# KiCad board tinysdr.kicad_pcb (continued)
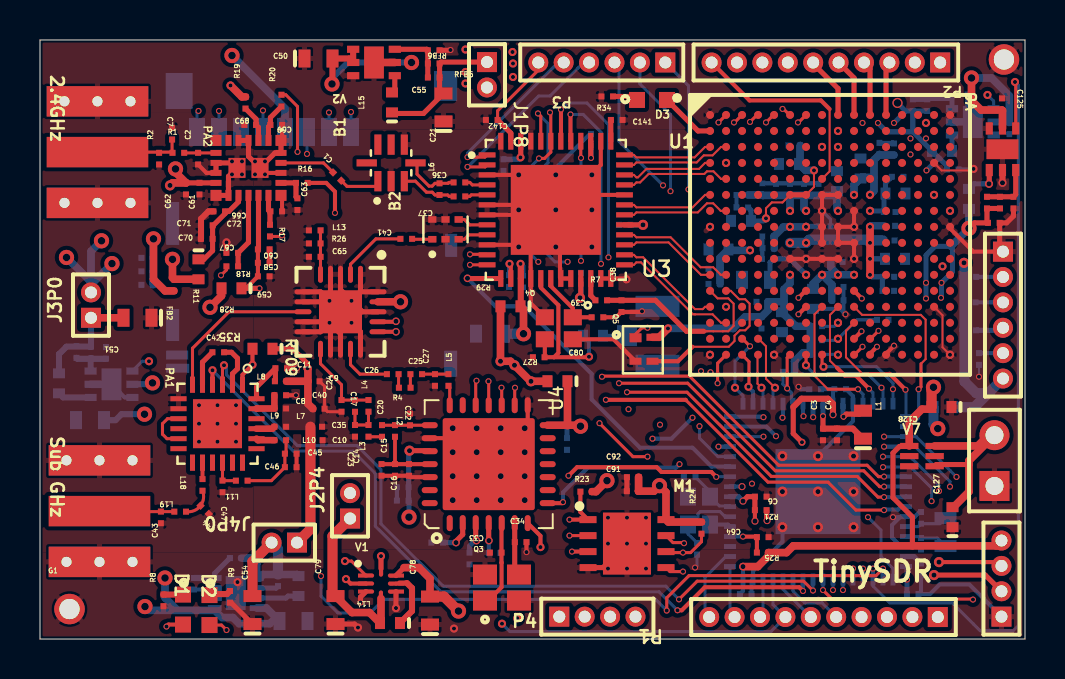
[diagram p0: board, top side]
## Routing (per net, layer and track width the routed paths; a pad name or vN(x,y) marks a point on that pad's centre or on a via; arc(x,y) is an arc through that point) (continued)
GPIO4: length 2.8
  Top Layer w0.254: U1.A11 41.5,28.55 P2.4
GPIO5: length 2.7
  Top Layer w0.254: U1.A12 42.3,28.68 P2.3
GPIO6: length 7.2
  Mid2Sig1 w0.254: v1(44.7,22.23) 44.88,22.4 44.88,27.63 43.74,28.76 P2.2
GPIO7: length 4.5
  Mid2Sig1 w0.152: v1(39.9,25.43) 39.9,26.34 P2.7
GPIO8: length 6.4
  Mid2Sig1 w0.152: P2.8 36.12,28.41 37.06,27.46 38.16,27.46 39.38,26.25 39.38,25.15 v1(39.9,24.62)
GPIO9: length 6.5
  Mid2Sig1 w0.152: v1(39.1,24.62) 39.1,24.63 39.1,25.48 37.45,27.12 36.58,27.12 P2.9
GPIO10: length 10.5
  Top Layer w0.102: U1.E8 39.48,23.4 39.48,26.52
  Top Layer w0.203: 39.48,26.52 39.05,26.95 35.48,26.95 P2.10
HFXIn: length 2.5
  Bottom Layer w0.152: U2.55 34.47,6.66 33.97,6.66 Q2.3 33.5,7.38 C77.2
HFXOut: length 3.7
  Bottom Layer w0.152: U2.54 34.25,6.13 34,6.38 33.02,6.38 32.9,6.26 32.9,6.12 32.5,5.73 Q2.1 32.4,5.26 C76.1
IQ_Radio_09: length 3.5
  Top Layer w0.152: RF09.2 15.52,18.75 16.8,20.03 C41.2
IQ_Radio_24: length 2.8
  Top Layer w0.152: PA2.21 14.18,23.83 C1.2
IQRadio_VCC: length 11.4
  Top Layer w0.254: v1(24.03,18.78) 24.04,18.76 ; v1(24.03,24.1) 24.04,24.12 U3.46 ; U3.29 v5(30.15,20.73) ; U3.21 27.04,17.12 v5(27,17.08) ; v2(27.55,24.08) 27.54,24.09 U3.39 27.53,24.93
  Top Layer w0.305: 24.04,18.76 U3.15 24.04,16.67 R29.1
  Top Layer w0.381: R29.1 24.18,16.5 v4(24.18,15.28)
  Bottom Layer w0.254: 27.05,17.12 C138.1 ; 24,24.12 v1(24.03,24.1) 23.93,24.01 C140.1 ; C137.1 24.15,18.65 ; v2(27.55,24.08) C139.1 ; C136.1 v5(30.15,20.73)
  Bottom Layer w0.508: C135.1 v4(24.18,15.28)
LED1: length 78.9
  Top Layer w0.152: v1(48.75,27.88) 48.79,27.84 V6.4
  Top Layer w0.203: v2(6.33,0.62) 6.43,0.73 D1.2
  Mid2Sig1 w0.152: v2(41.65,3.53) 41.65,3.52 41.02,2.89 40.39,2.89 40.04,3.24 36.35,3.24 35.48,2.38 8.07,2.38 v2(6.33,0.62)
  Mid3Sig2 w0.152: v1(47.38,27.23) 48.1,27.23 v1(48.75,27.88)
  Bottom Layer w0.152: U2.35 41.65,2.65 42.5,1.8 45.62,1.8 47.01,0.42 48.66,0.42 48.92,0.68 48.92,27.7 v1(48.75,27.88) ; v1(47.38,27.23) 47.68,26.92 V5.4
  Bottom Layer w0.203: U2.35 v2(41.65,3.53)
LED2: length 38.6
  Top Layer w0.152: v2(9.33,0.45) 9.08,0.7 D2.2 ; v2(31.34,1.43) 31.34,2.06 32.45,3.18 40.5,3.18 40.5,3.17 40.8,3.17 40.8,3.18 41,3.18 41,3.17 41.3,3.17 41.3,3.18 41.5,3.18 41.5,3.17 41.8,3.17 42.15,3.52 v2(42.15,3.53)
  Mid3Sig2 w0.152: v2(9.33,0.45) 9.35,0.48 9.65,0.48 12.33,3.15 v2(14.05,3.15)
  Bottom Layer w0.152: v2(31.34,1.43) 30.78,1.98 17.18,1.98 16.51,1.31 14.89,1.31 14.05,2.15 v2(14.05,3.15)
  Bottom Layer w0.203: U2.34 v2(42.15,3.52)
LFXIN: length 2.2
  Bottom Layer w0.152: Q1.1 45,5.77 C75.2 43.9,5.63 U2.28
LFXOUT: length 2.2
  Bottom Layer w0.152: Q1.2 44.87,5.05 C74.1 43.98,5.13 U2.29
MCU_CS: length 3.9
  Top Layer w0.152: v2(35.5,14.65) 35.12,15.03 U1.R3
  Bottom Layer w0.152: v2(35.5,14.65) 34.75,13.9 v1(34.75,12.58) 35.15,12.17 U2.1
MCU_GPIO1: length 2.6
  Bottom Layer w0.152: U2.49 34.5,1.33 P1.9
MCU_GPIO2: length 3.8
  Bottom Layer w0.152: P1.10 33.25,1.31 33.25,3.08 34.29,4.12 U2.50
MCU_GPIO7: length 43.9
  Top Layer w0.203: U3.42 26.05,24.92 v2(26.05,26.5)
  Mid2Sig1 w0.152: v2(45.83,8.11) 45.86,8.08 45.86,6.74 47.01,5.59 47.01,1.83 46.28,1.1 P1.1 ; v2(42.2,10.13) 42.05,10.13 41.63,10.55 35.26,10.55 34.99,10.82 33.98,10.82 28.43,16.38 v2(28.43,19.1)
  Bottom Layer w0.152: v2(28.43,19.1) 28.43,25.74 27.34,26.83 26.38,26.83 v2(26.05,26.5) ; v2(45.83,8.11) 43.81,10.13 U2.19 43.29,10.12 43.29,10.13 v2(42.2,10.13)
MCU_GPIO8: length 42.9
  Top Layer w0.203: v2(26.53,26.25) 26.53,24.93 U3.41 26.55,24.92
  Mid2Sig1 w0.152: P1.2 43.62,1.12 44.31,1.8 45.45,1.8 46.73,3.08 46.73,5.33 45.5,6.55 v2(45.5,7.62) ; v2(42.2,9.62) 42.16,9.62 41.51,10.27 37.42,10.27 36.92,9.77 35.64,9.77 34.88,10.54 33.84,10.54 28.05,16.32 v2(28.05,18.77)
  Bottom Layer w0.152: U2.20 43.75,9.63 45.5,7.88 v2(45.5,7.62) ; v2(26.53,26.25) 27.16,26.25 28.05,25.36 28.05,18.78 v2(28.05,18.78)
  Bottom Layer w0.203: U2.20 43.3,9.62 v2(42.2,9.62)
MCU_GPIO9: length 45.1
  Top Layer w0.152: U3.44 25.04,26.16 v2(24.9,26.3)
  Mid2Sig1 w0.152: v2(26.38,18.88) 26.38,16.34 32.46,10.26 34.76,10.26 36.32,8.7 41.1,8.7 41.53,9.12 v2(42.15,9.12) ; v2(44.95,7.4) 45.01,7.35 45.01,6.57 46.33,5.25 46.33,3.21 45.2,2.08 43.33,2.08 P1.3
  Bottom Layer w0.152: v2(26.38,18.88) 25.75,18.88 25.08,19.55 25.08,23.52 25.4,23.84 25.4,25.8 v2(24.9,26.3) ; U2.21 43.34,9.08 43.55,9.08 44.95,7.68 v2(44.95,7.4) ; v2(42.15,9.12) 43.3,9.12
MCU_GPIO10: length 41.5
  Top Layer w0.152: v2(24.95,24.05) 25.23,24.05 25.54,24.36 U3.43 25.54,26.31 v2(25.5,26.35)
  Mid2Sig1 w0.152: v2(44.58,6.9) 44.58,4.82 41.08,1.32 P1.4 ; v2(42.15,8.6) 41.4,8.6 41.21,8.42 36.21,8.42 34.64,9.98 32.34,9.98 24.91,17.41 v2(24.91,18.88)
  Bottom Layer w0.152: v2(24.95,24.05) 24.53,23.62 24.53,19.26 v2(24.91,18.88) ; v2(44.58,6.9) 44.58,7.55 43.55,8.58 43.34,8.58 U2.22 ; v2(42.15,8.6) 43.3,8.6
MCU_MISO: length 2.6
  Top Layer w0.102: v1(36.08,12.58) 35.88,12.78 35.88,14.2 U1.T4
  Bottom Layer w0.152: v1(36.08,12.58) 36.15,12.5 U2.3
MCU_MOSI: length 3.7
  Top Layer w0.102: U1.R4 35.93,15.03 36.3,14.65 36.3,13.02 v1(36.75,12.58)
  Bottom Layer w0.152: v1(36.75,12.58) 36.65,12.48 U2.4
MCU_SCLK: length 2.7
  Top Layer w0.152: v1(35.43,12.62) 35.45,12.65 35.45,13.88 U1.T3
  Bottom Layer w0.203: U2.2 35.65,12.38 35.43,12.6 v1(35.43,12.62)
MSP_Radio_IRQ: length 19.5
  Top Layer w0.152: v2(27.05,24.08) 27.04,24.09 U3.40
  Mid2Sig1 w0.152: v2(27.05,18.93) 27.05,17.78 27.55,17.28 27.55,15.57 32.47,10.65 v2(32.97,10.65)
  Bottom Layer w0.152: U2.60 33.9,9.13 32.97,10.05 v2(32.97,10.65) ; v2(27.05,18.93) v2(27.05,24.08)
Net2.4GHz_2: length 4.4
  Top Layer w0.152: 6.6,24.35 R1.1 ; 6.6,24.35 C7.2 ; 6.6,24.35 6.59,24.37 2.4GHz.2
NetB1_1: length 1.9
  Top Layer w0.152: 16.88,22.65 15.35,22.65 C1.1
NetB2_1: length 1
  Top Layer w0.152: B2.1 18.62,20.01 C41.1
NetC2_2: length 1.6
  Top Layer w0.152: PA2.8 7.21,24.33 R1.2
NetC3_2: length 3.5
  Top Layer w0.254: C3.2 v2(39.15,11.15)
  Top Layer w0.305: C3.2 C4.2 40.65,10.53 L1.1
  Bottom Layer w0.254: v2(39.15,11.15) U2.9
NetC5_2: length 12.9
  Top Layer w0.152: 35.75,5.9 v7(35.75,5.9)
  Top Layer w0.203: 35.75,5.9 R21.2
  Top Layer w0.254: R21.2 C6.2 35.38,7.12 v7(35.15,6.9)
  Mid3Sig2 w0.152: v7(35.75,5.9) 37.72,3.93 42.4,3.93 v2(43.35,2.98)
  Bottom Layer w0.254: U2.32 43.35,3.58 C5.2 ; U2.56 34.93,7.13 34.93,7.12 v7(35.15,6.9)
NetC8_1: length 1.6
  Top Layer w0.33: C8.1 L7.1 10.84,11.54 PA1.23
NetC11_1: length 2.6
  Top Layer w0.254: 10.87,12.07 PA1.24 10.83,12.6 C11.1 11.77,12.93 L8.1
NetC14_2: length 3.8
  Top Layer w0.191: C15.2 L2.2
  Top Layer w0.203: C14.2 17.08,8.75 U4.25
NetC17_2: length 2
  Top Layer w0.152: L4.1 L3.2 C23.1 C17.2
NetC20_1: length 0.7
  Top Layer w0.152: L3.1 16.43,10.12 C20.1
NetC20_2: length 2.4
  Top Layer w0.152: C20.2 17.1,10.7 U4.22
NetC21_2: length 7
  Top Layer w0.254: L15.1 17.65,26.3 19.17,26.3 C21.2 19.98,27.5 C55.2 RFB5.2 20.05,28.87 J1P8.1
NetC25_1: length 0.7
  Top Layer w0.152: C25.1 18.52,12.58 R4.2
NetC25_2: length 1.3
  Top Layer w0.152: L5.2 C27.2 C25.2
NetC26_2: length 0.7
  Top Layer w0.152: C26.2 17.93,12.59 R4.1
NetC28_2: length 1.5
  Top Layer w0.254: v6(22.45,4.93) 22.44,4.93 U4.4
  Bottom Layer w0.203: C28.2 v6(22.45,4.93)
NetC31_2: length 1.8
  Top Layer w0.254: v6(20.8,4.83) 20.8,4.89 21.14,5.23 U4.2
  Bottom Layer w0.254: C31.2 v6(20.8,4.83)
NetC42_1: length 1.8
  Top Layer w0.254: C42.1 8.12,13.85 PA1.5
NetC42_2: length 2.2
  Top Layer w0.254: PA1.2 9.62,13.28 9.88,13.53 9.88,14.05 9.57,14.35 C42.2
NetC43_2: length 3.8
  Top Layer w0.152: Sub GHz.2 3,6.38 L19.2
NetC44_2: length 1.6
  Top Layer w0.152: L19.1 arc(8.02,6.66) L18.2
NetC45_1: length 3.5
  Top Layer w0.152: L10.2 12.3,9.33 C45.1 C46.1 11.57,7.93 L11.1
NetC47_1: length 1.6
  Top Layer w0.152: L11.2 9.13,7.93 C47.1 PA1.16
NetC51_2: length 5.8
  Top Layer w0.381: J3P0.1 C51.2
  Bottom Layer w0.305: J3P0.1 C56.2 1.32,14.63 0.95,14.26 L16.1
NetC54_2: length 8.6
  Top Layer w0.508: C54.2 10.62,3.87 J4P0.2
  Bottom Layer w0.381: RFB1.1 10.55,4.05 10.84,3.76 V4.5 10.97,3.05 11.15,3.23 R30.2 12.85,3.23 L17.2
  Bottom Layer w0.508: J4P0.2 11.9,4.51 R30.2
NetC55_1: length 3
  Top Layer w0.254: V2.3 19.34,29.51 RFB6.2 19.39,28.1 C55.1
NetC56_1: length 2.1
  Bottom Layer w0.305: C56.1 2.53,14.03 2.53,14.03 ; 2.53,14.03 V3.3 ; 2.53,14.03 RFB4.2 ; 2.53,14.03 1.87,14.03 RFB3.1
NetC58_1: length 0.7
  Top Layer w0.254: C58.1 C60.1
NetC63_2: length 1.5
  Top Layer w0.254: C63.2 12.8,22.12 R16.1 PA2.19
NetC64_2: length 2.1
  Top Layer w0.203: v2(35.15,5.12) 35.82,5.12 C64.2 R25.2
  Bottom Layer w0.203: U2.52 v2(35.15,5.12)
NetC65_2: length 2.2
  Top Layer w0.152: RF09.5 14.03,20.45 L13.2
NetC66_2: length 1.5
  Top Layer w0.254: PA2.17 11.43,21.45 11.5,21.38 R17.1
NetC67_1: length 3.8
  Top Layer w0.254: R18.1 C67.1 10.43,19.85 PA2.15
NetC68_2: length 1.9
  Top Layer w0.254: PA2.3 10.93,25.6 C68.2 10.8,26.02 R19.1
NetC69_2: length 2
  Top Layer w0.254: R20.1 11.52,26.1 C69.2 11.43,25.63 PA2.2
NetC79_2: length 8.3
  Top Layer w0.381: V1.4 17.05,0.85 L14.2 16.47,1.33 15.6,1.33 C79.2 14.62,2.3
  Top Layer w0.508: 14.62,2.3 14.62,5.15 J2P4.1
NetC95_1: length 2.5
  Bottom Layer w0.254: RFB7.1 C95.1 44.41,27.05 45.6,27.05 V5.3
NetC124_1: length 2.7
  Top Layer w0.254: V6.3 48.79,22.24 RFB10.2 C124.1
NetD1_1: length 1
  Top Layer w0.305: D1.1 6.18,2.23 R8.2
NetD2_1: length 1.1
  Top Layer w0.305: D2.1 8.47,2.25 9.35,2.25 R9.2
NetD3_1: length 1.3
  Top Layer w0.254: D3.1 29.68,27.15 R34.2
NetL5_1: length 1
  Top Layer w0.152: U4.21 20.49,12.61 L5.1
NetL9_1: length 0.9
  Top Layer w0.33: L9.1 11.62,10.53 PA1.21
NetL10_1: length 0.9
  Top Layer w0.33: L10.1 10.9,9.95 PA1.20
NetL12_2: length 0.8
  Bottom Layer w0.254: L12.2 V5.1
NetL14_1: length 2.7
  Top Layer w0.254: 17.97,2.8 18.35,2.8
  Top Layer w0.305: L14.1 18.6,1.4 18.6,2.55 18.35,2.8
NetL15_2: length 0.9
  Top Layer w0.254: V2.1 17.74,27.49 L15.2
NetL16_2: length 1.7
  Bottom Layer w0.305: V3.1 1.16,12.09 L16.2
NetL17_1: length 2.1
  Bottom Layer w0.254: V4.7 12.3,2.05 12.4,2.15 L17.1
NetL18_1: length 0.8
  Top Layer w0.191: L18.1 PA1.14
NetL20_2: length 1.8
  Top Layer w0.254: 47.43,23.5 V6.1 47.46,22.79 v3(47.45,22.78)
  Bottom Layer w0.254: v3(47.45,22.78) 46.7,22.78 L20.2
NetPA1_1: length 2
  Top Layer w0.203: R35.2 v1(10.62,13.73) 10.12,13.23 PA1.1
NetPA1_6: length 8.1
  Top Layer w0.152: RF09.8 9.45,16.38 7.62,14.55 PA1.6
NetPA1_9: length 2.3
  Top Layer w0.152: PA1.11 6.35,10.03 6.12,10.25 6.12,10.78 6.38,11.03 PA1.9
NetR3_2: length 0.9
  Bottom Layer w0.254: R3.2 44.05,3.78 43.7,4.12 U2.31
NetR7_1: length 1.2
  Top Layer w0.254: R7.1 27.54,17.18 U3.22
NetR10_2: length 1.2
  Bottom Layer w0.203: R10.2 TXCO_IN.1
NetR30_1: length 1.1
  Bottom Layer w0.254: R30.1 11.8,2.55 V4.6
NetRFB1_2: length 2.4
  Bottom Layer w0.254: RFB1.2 8.74,3.29 V4.4
  Bottom Layer w0.305: V4.4 8.73,3.05 RFB2.2
PL5_N: length 5.5
  Top Layer w0.102: U3.35 29.7,23.73 29.82,23.85 32.84,23.85 33.19,24.2 33.63,24.2 34.05,24.63 U1.C2
PL5_P: length 4.5
  Top Layer w0.102: U1.C1 33.25,24.63 32.73,24.1 29.82,24.1 29.7,24.23 U3.36
PL8_N: length 5.5
  Top Layer w0.102: U1.E2 34.05,23.03 33.68,23.4 33.35,23.4 33.22,23.27 30.43,23.27 30.01,22.85 29.82,22.85 29.7,22.73 U3.33
PL8_P: length 4.6
  Top Layer w0.102: U1.D1 33.25,23.83 32.95,23.53 30.32,23.53 29.9,23.1 29.82,23.1 29.7,23.23 U3.34
PL14_N: length 5.5
  Top Layer w0.102: U3.30 29.7,21.23 29.82,21.35 32.89,21.35 33.35,21.8 33.66,21.8 34.04,21.43 U1.G2
PL14_P: length 4.6
  Top Layer w0.102: U1.F1 33.25,22.23 32.63,21.6 29.82,21.6 29.7,21.73 U3.31
PL26_N: length 5
  Top Layer w0.102: U1.L1 33.05,18.23 31.43,19.85 29.82,19.85 29.7,19.73 U3.27
PL26_P: length 5.9
  Top Layer w0.102: U1.L2 34.04,18.23 33.66,18.6 33.03,18.6 31.53,20.1 29.82,20.1 29.7,20.23 U3.28
PL32_N: length 6.4
  Top Layer w0.102: U1.P2 34.05,15.83 33.63,16.25 32.75,16.25 32.75,16.25 32.65,16.25 30.05,18.85 29.82,18.85 29.7,18.73 U3.25
PL32_P: length 5.5
  Top Layer w0.102: U3.26 29.7,19.23 29.82,19.1 30.16,19.1 32.75,16.51 33.14,16.51 33.25,16.62 U1.N1
RF09_CPS: length 38.2
  Top Layer w0.152: v1(9.2,13.7) 9.12,13.62 PA1.3 ; v2(31.95,1.98) 32.86,2.9 38.18,2.9 v2(38.65,2.43)
  Bottom Layer w0.152: v1(9.2,13.7) 9.33,13.58 9.33,13.23 12.87,9.68 15.84,9.68 17.05,8.48 17.05,5.76 20.17,2.64 31.29,2.64 v2(31.95,1.98) ; v2(38.65,2.43) U2.41
RF09_CTX: length 37.9
  Top Layer w0.203: v2(31.88,1.44) 32.09,1.44 33.24,2.59 37.96,2.59 v2(38.15,2.4) ; PA1.4 v1(8.62,13.45)
  Bottom Layer w0.152: v2(31.88,1.44) 30.95,2.36 20.05,2.36 16.77,5.65 16.77,8.28 15.65,9.4 12.67,9.4 v1(8.62,13.45)
  Bottom Layer w0.203: v2(38.15,2.4) U2.42
RF09_N: length 1.5
  Top Layer w0.152: B2.3 21.22,20.01 21.44,20.23 U3.9
RF09_P: length 1.5
  Top Layer w0.152: U3.8 21.49,20.73 21.22,21 B2.4
RF09_SW_A0: length 26.4
  Top Layer w0.203: v6(17.8,15.9) 17.78,15.88 RF09.17
  Mid2Sig1 w0.203: v6(17.8,15.9) 17.87,15.9 19.78,13.99 19.78,10.66 20.42,10.02 30.62,10.02 v2(30.62,10.03)
  Mid3Sig2 w0.203: v2(37.12,11.08) 36.35,11.85 33.4,11.85 v2(32.62,11.08)
  Bottom Layer w0.203: v2(32.62,11.08) 31.58,10.03 v2(30.62,10.03) ; v2(37.12,11.08) 37.15,11.1 U2.5
RF09_SW_A1: length 24.6
  Top Layer w0.203: RF09.16 v6(17.8,15.38)
  Mid2Sig1 w0.203: v7(35.1,7.62) 32.35,7.62 31.28,8.7 20,8.7 18.95,9.75 18.95,14.23 v6(17.8,15.38)
  Bottom Layer w0.203: U2.57 34.5,7.62 v7(35.1,7.62)
RF24_CPS: length 41.6
  Top Layer w0.152: v2(9.05,18.2) 9.32,18.47 R18.2 ; v2(30.38,9.12) 29.65,9.12 v2(27.97,10.8)
  Mid2Sig1 w0.203: v2(41.4,6.1) 40.77,6.73 36.65,6.73 v2(35.6,7.78)
  Mid3Sig2 w0.152: v2(35.6,7.78) 34.25,9.12 v2(30.38,9.12) ; 9.03,18.2 v2(9.05,18.2) 17.8,18.2 19.93,16.08 22.43,16.08 27.61,10.89 27.61,10.89 27.7,10.8 v2(27.97,10.8)
  Bottom Layer w0.152: U2.33 42.65,3.53 42.05,4.13 42.05,5.45 v2(41.4,6.1)
RF24_CRX: length 36.8
  Top Layer w0.152: R20.2 12.29,27.23 12.88,26.65 v2(12.88,24.38)
  Mid3Sig2 w0.152: 38.68,11.12 38.68,12.7 37.7,13.68 37.7,14 36.6,15.1 28.33,15.1 26.4,17.03 20.58,17.03 15.37,22.23 14.42,22.23 12.88,23.77 v2(12.88,24.38)
  Mid3Sig2 w0.254: v2(38.66,11.1) 38.68,11.12
  Bottom Layer w0.254: v2(38.66,11.1) 38.65,11.11 U2.8
RF24_CTX: length 31.2
  Top Layer w0.152: R17.2 12.05,20.15 v2(12.1,20.2)
  Mid2Sig1 w0.152: v2(31,10.73) 30.65,10.73 29.88,11.5 29.45,11.5
  Mid3Sig2 w0.152: v2(12.1,20.2) 16.61,20.2 20.34,16.47 24.48,16.47 26.55,14.4 26.55,13.15 28.2,11.5 v2(29.43,11.5) ; v2(31,10.73) 31.6,10.13 v2(36.17,10.13)
  Bottom Layer w0.152: U2.62 v2(36.17,10.13)
RF24_N: length 1.1
  Top Layer w0.152: C37.1 21.49,22.15 21.57,22.23 U3.5
RF24_P: length 1.1
  Top Layer w0.152: U3.4 21.62,22.73 21.49,22.85 C36.1
RF_DVDD: length 1.1
  Top Layer w0.254: C141.1 28.54,25.97 U3.37
SD_CLK: length 31.2
  Top Layer w0.152: v2(35.5,25.88) 35.85,26.23 U1.A4
  Mid2Sig1 w0.152: v2(11.15,26.45) 12.69,24.91 13.88,24.91 14.01,24.78 23.73,24.78 23.74,24.79 24.31,24.79 24.32,24.78 27.67,24.78 arc(27.84,24.85) 27.91,25.01 27.91,25.18 arc(27.97,25.35) 28.14,25.41 28.33,25.41 arc(28.5,25.35) 28.57,25.18 28.57,24.75 arc(28.63,24.59) 28.8,24.52 28.99,24.52 arc(29.16,24.59) 29.23,24.75 29.23,25.18 arc(29.29,25.35) 29.46,25.41 29.66,25.41 arc(29.82,25.35) 29.89,25.18 29.89,24.75 arc(29.95,24.59) 30.12,24.52 30.32,24.52 arc(30.48,24.59) 30.55,24.75 30.55,25.18 arc(30.61,25.35) 30.78,25.41 30.98,25.41 arc(31.14,25.35) 31.21,25.18 31.21,24.75 arc(31.27,24.59) 31.44,24.52 31.64,24.52 arc(31.8,24.59) 31.87,24.75 31.87,24.74 arc(31.88,24.77) 31.91,24.78 34.4,24.78 v2(35.5,25.88)
  Bottom Layer w0.152: microSD.5 v2(11.15,26.45)
SD_CMD: length 28.8
  Top Layer w0.152: v2(37.9,25.85) 37.93,25.85 U1.A7
  Mid3Sig2 w0.152: v2(13.35,24.28) 13.72,24.28 16.02,21.98 34.03,21.98 v2(37.9,25.85)
  Bottom Layer w0.152: v2(13.35,24.28) microSD.3
SD_DAT0: length 31.3
  Top Layer w0.152: v2(36.3,25.85) 36.68,26.23 U1.A5
  Mid3Sig2 w0.152: v2(36.3,25.85) 34.96,24.51 23.86,24.51 23.85,24.5 19.62,24.5 arc(19.48,24.44) 19.42,24.3 19.42,24.1 arc(19.36,23.96) 19.22,23.9 18.96,23.9 arc(18.82,23.96) 18.76,24.1 18.76,24.3 arc(18.7,24.44) 18.56,24.5 13.89,24.5 13.66,24.73 12.7,24.73 12.6,24.63 10.74,24.63 v2(8.95,26.43)
  Bottom Layer w0.152: microSD.7 v2(8.95,26.43)
SD_DAT1: length 31.2
  Top Layer w0.152: U1.A6 37.48,26.23 37.17,26.53 v2(37.13,26.53)
  Mid3Sig2 w0.152: v2(37.13,26.53) 36.95,26.7 30.29,26.7 30.07,26.92 28.17,26.92 28.14,26.9 21.54,26.9 21.52,26.92 8.42,26.92 v2(7.93,26.43)
  Bottom Layer w0.152: microSD.8 7.85,26.35 v2(7.93,26.43)
SD_DAT2: length 31.1
  Top Layer w0.152: U1.A2 33.93,25.85 v2(33.93,25.85)
  Mid3Sig2 w0.152: v2(33.93,25.85) 30.28,25.85 arc(30.14,25.91) 30.08,26.05 30.08,26.42 arc(30.03,26.56) 29.89,26.62 29.62,26.62 arc(29.48,26.56) 29.42,26.42 29.42,26.05 arc(29.37,25.91) 29.23,25.85 28.96,25.85 arc(28.82,25.91) 28.76,26.05 28.76,26.42 arc(28.71,26.56) 28.57,26.62 28.3,26.62 arc(28.16,26.56) 28.1,26.42 28.1,26.05 arc(28.05,25.91) 27.91,25.85 22.48,25.85 arc(22.31,25.78) 22.24,25.62 22.24,25.57 arc(22.18,25.41) 22.01,25.34 21.82,25.34 arc(21.65,25.41) 21.58,25.57 21.58,26.41 arc(21.52,26.57) 21.35,26.64 21.16,26.64 arc(20.99,26.57) 20.92,26.41 20.92,25.57 arc(20.86,25.41) 20.69,25.34 20.49,25.34 arc(20.33,25.41) 20.26,25.57 20.26,26.41 arc(20.2,26.57) 20.03,26.64 19.83,26.64 arc(19.67,26.57) 19.6,26.41 19.6,25.57 arc(19.54,25.41) 19.37,25.34 19.17,25.34 arc(19.01,25.41) 18.94,25.57 18.94,26.41 arc(18.88,26.57) 18.71,26.64 18.51,26.64 arc(18.35,26.57) 18.28,26.41 18.28,25.57 arc(18.21,25.41) 18.05,25.34 17.85,25.34 arc(17.69,25.41) 17.62,25.57 17.62,26.41 arc(17.55,26.57) 17.39,26.64 17.19,26.64 arc(17.03,26.57) 16.96,26.41 16.96,26.08 arc(16.89,25.92) 16.73,25.85 16.08,25.85 v2(15.55,26.38)
  Bottom Layer w0.152: microSD.1 v2(15.55,26.38)
SD_DAT3: length 30.7
  Top Layer w0.152: U1.A3 34.73,25.85 v2(34.7,25.85)
  Mid3Sig2 w0.152: v2(34.7,25.85) 33.91,25.06 33.47,25.06 arc(33.38,25.1) 33.35,25.19 33.35,25.37 arc(33.29,25.51) 33.15,25.57 32.88,25.57 arc(32.74,25.51) 32.69,25.37 32.69,24.98 arc(32.63,24.84) 32.49,24.79 32.22,24.79 arc(32.08,24.84) 32.03,24.98 32.03,25.37 arc(31.97,25.51) 31.83,25.57 31.56,25.57 arc(31.42,25.51) 31.37,25.37 31.37,24.98 arc(31.31,24.84) 31.17,24.79 30.9,24.79 arc(30.76,24.84) 30.7,24.98 30.7,25.37 arc(30.65,25.51) 30.51,25.57 30.24,25.57 arc(30.1,25.51) 30.04,25.37 30.04,24.98 arc(29.99,24.84) 29.85,24.79 29.58,24.79 arc(29.44,24.84) 29.38,24.98 29.38,25.37 arc(29.33,25.51) 29.19,25.57 28.92,25.57 arc(28.78,25.51) 28.72,25.37 28.72,24.98 arc(28.67,24.84) 28.53,24.79 28.26,24.79 arc(28.12,24.84) 28.06,24.98 28.06,25.37 arc(28.01,25.51) 27.87,25.57 27.6,25.57 arc(27.46,25.51) 27.4,25.37 27.4,24.98 arc(27.34,24.84) 27.2,24.79 26.94,24.79 arc(26.8,24.84) 26.74,24.98 26.74,25.37 arc(26.68,25.51) 26.54,25.57 26.28,25.57 arc(26.14,25.51) 26.08,25.37 26.08,24.98 arc(26.02,24.84) 25.88,24.79 25.62,24.79 arc(25.48,24.84) 25.42,24.98 25.42,25.37 arc(25.36,25.51) 25.22,25.57 24.96,25.57 arc(24.82,25.51) 24.76,25.37 24.76,25.26 arc(24.7,25.12) 24.56,25.06 24.43,25.06 24.42,25.07 23.63,25.07 23.62,25.06 15.74,25.06 v2(14.45,26.35)
  Bottom Layer w0.152: microSD.2 v2(14.45,26.35)
TCK_SWDCLK: length 19.5
  Top Layer w0.203: v5(44.95,3.85) 47.88,3.85 MCU.3
  Mid3Sig2 w0.203: v5(44.95,3.85) 43.4,5.4 43.4,10.23 42.93,10.69 36.58,10.69 v2(36.17,11.1)
  Bottom Layer w0.203: v2(36.17,11.1) 36.15,11.13 U2.64
TCXO: length 8.7
  Top Layer w0.203: 25.7,14.1 C80.2 25.24,14.11 Q4.3 ; 25.7,14.1 25.92,14.32 25.92,16.7 25.04,17.59 U3.17 ; 25.7,14.1 27.43,14.1 v1(27.45,14.12)
  Bottom Layer w0.203: v1(27.45,14.12) 27.45,14.88 R10.1
TMS_SWDIO: length 18.6
  Top Layer w0.254: v5(44.7,3.2) 47.26,3.2 MCU.2
  Mid3Sig2 w0.152: v2(36.8,10.15) 36.88,10.23 40.25,10.23 41.79,8.68 41.79,6.11 v5(44.7,3.2)
  Bottom Layer w0.203: v2(36.8,10.15) 36.32,10.63 U2.63
V_PA24_1P8V: length 13.8
  Top Layer w0.203: R16.2 14.31,22.83 14.75,22.39 v2(14.75,21.33) ; C60.2 C58.2 C59.2 10.3,17.55
  Top Layer w0.254: R28.1 v2(10.97,17.55) ; PA2.16 10.93,19.53 C60.2
  Mid2Sig1 w0.203: v2(10.97,17.55) v2(14.75,21.33)
V_PA24_3P0V: length 4.3
  Top Layer w0.254: PA2.14 9.93,21.88 9.45,21.4 C72.2 9.25,21.29 8.67,20.7 C71.2 8.63,20.7 C70.2 8.63,19.43 8.2,19 R11.1
VSW: length 1.8
  Top Layer w0.254: v2(40.18,11.12) 40.19,11.12 40.32,11.26 40.98,11.26 L1.2
  Bottom Layer w0.254: v2(40.18,11.12) 40.15,11.15 U2.11
XTA: length 4.3
  Top Layer w0.203: U4.5 23.08,5.79 23.08,3.83 23.08,3.82 23.08,2.59 22.41,1.93 Q3.1
XTAL2: length 3.3
  Top Layer w0.203: C39.2 Q4.1 26.64,16.56 25.54,17.66 U3.18
XTB: length 2.7
  Top Layer w0.254: Q3.3 23.74,3.44 U4.6

## Copper pours and planes (outline as drawn; the poured copper is in the pictures)
GND on Top Layer: 35.17,26.66 35.17,15.95 27.6,15.95 27.6,26.6 27.67,26.66
GND on Top Layer: 10.68,4.32 0.03,4.32 0.03,26.32 10.68,26.33
GND on Top Layer: 49.25,0 49.25,29.98 10.22,29.98 10.22,30.05 0.07,30.05 -0.02,29.95 -0.02,25.5 35.5,25.5 35.5,4.49 0,4.49 0,0
GND on Top Layer: 22.23,4.05 41.93,4.05 41.93,14.57 27.5,14.63 27.5,27.5 7.8,27.59 7.8,4.18 22.23,4.17
GND on Bottom Layer: 0.03,29.98 49.25,29.98 49.25,0 0,0
GND on Mid1GND: 0.03,29.98 49.25,29.98 49.25,0 0,0
GND on Mid2Sig1: 0,29.98 49.25,29.98 49.25,0 0,0
GND on Mid3Sig2: 49.25,29.98 49.25,0 0,0 0,29.98
VBat on Mid2Sig1: 20.97,29.75 20.97,26.6 24.2,26.6 24.25,26.55 24.25,29.82 20.9,29.82
VBat on Mid4Power: 0,0 49.25,0 49.25,29.98 0,29.98 0,27.35 46.1,27.35 46.1,3.15 6.7,3.36 6.7,14.67 0,14.68
VCC_D2 on Mid4Power: 13.96,5.98 27.18,5.98 27.18,9.83 33.2,9.82 33.2,18.65 39.15,18.65 39.15,20.97 30.67,20.97 30.67,14.82 19.95,14.83 19.95,9.83 14.01,9.83 13.96,9.78
1P1V on Bottom Layer: 43.12,23.53 43.12,25.45 44.96,25.45 44.96,23.53
1P1V on Bottom Layer: 40.66,25.2 40.66,26.73 43.83,26.73 43.83,25.2
1P1V on Mid4Power: 36.48,20.97 45.88,20.97 45.88,27.18 32.57,27.18 32.57,22.25 36.48,22.25
1P8V on Mid4Power: 21.65,26.58 21.65,27.83 23.1,27.83 23.1,26.58
1P8V on Mid4Power: 6.4,22.31 6.4,3.42 42.42,3.43 45.97,3.43 46.15,3.43 46.15,5.73 45.97,5.73 45.97,10.75 42.12,10.75 42.12,5.73 31.35,5.73 31.35,8.39 27.5,8.39 27.5,5.72 12.15,5.72 12.15,13.56 18.91,13.56 18.91,19.26 12.15,19.26 12.15,22.52 23.22,22.53 23.22,28.1 23.1,28.23 6.4,28.22 6.4,27.14 3.28,27.1 3.28,22.66 3.22,22.6 3.51,22.31
1P8V_MCU on Mid4Power: 45.87,14.32 45.87,6.02 33.55,6.03 33.53,6.05 33.75,6.28 33.75,14.3 41.75,14.3 41.77,14.33
2P5V on Mid4Power: 34.97,18.58 34.9,18.5 34.9,15.28 45.25,15.28 45.25,18.48 34.9,18.48 34.83,18.55
3P0V on Mid4Power: 0,15.18 6.22,15.18 6.3,15.25 6.3,16.83 7.9,16.83 7.9,22.1 0,22.1
4P0V on Top Layer: 12.1,10.45 12.1,11.78 13.78,11.78 13.78,10.45
FPGA_1P8V on Mid4Power: 39.34,20.85 39.34,18.47 45.81,18.47 45.81,20.92 39.27,20.92
IQRadio_VCC on Mid4Power: 23.45,15 23.45,25.13 30.5,25.12 30.5,15
NetC54_2 on Bottom Layer: 9.9,3.3 9.9,5.5 12.2,5.5 12.2,3.3

Small or netless copper shapes (teardrops, artwork), in the pictures only: 8 on Top Layer

## Text on the board
Top Overlay: TinySDR
Mechanical 4: Fabrication Notes: / - 6 layers FR4 substrate / - Min hole size 8 mil / - Clearance of 5 mil / - Min trace size 4 mil / - PCB thickness of 108.9 mil / - Dimension of the board is 49mm*30mm / - RF trace which need to match to 50 ohm. / - multiple lvds traces between U3 and U1 components which needs to be match at 100 ohm differential. | Layer | 1 | 2 | 3 | 4 | 5 | 6 | Name | Top Overlay | Top Solder | Top Layer | Prepreg1 | Mid1GND | Core1 | Mid2Sig1 | Prepreg2 | Mid3Sig2 | Core2 | Mid4Power | Prepreg3 | Bottom Layer | Bottom Solder | Bottom Overlay | Material | Solder Resist | Copper | FR-4 | Thickness | 0.40mil | 1.40mil | 4.00mil | 24.00mil | Constant | 3.5 | 4.2 | Board Layer Stack
